# Altium PCB AEX1_PiOBD_V0.2_ALLPCB_6L.PcbDoc (part 2 of 4)
Units mm, origin at the board's own origin, x right, y up, seen from the top; angles counter-clockwise.
Board outline 130.5 x 65 mm, 6 copper layers (L1, L2(GND), L3, L4(PWR), L5(GND), L6), stack 1.565 mm thick; 307 components, 207 nets, 1196 pads, 423 vias.
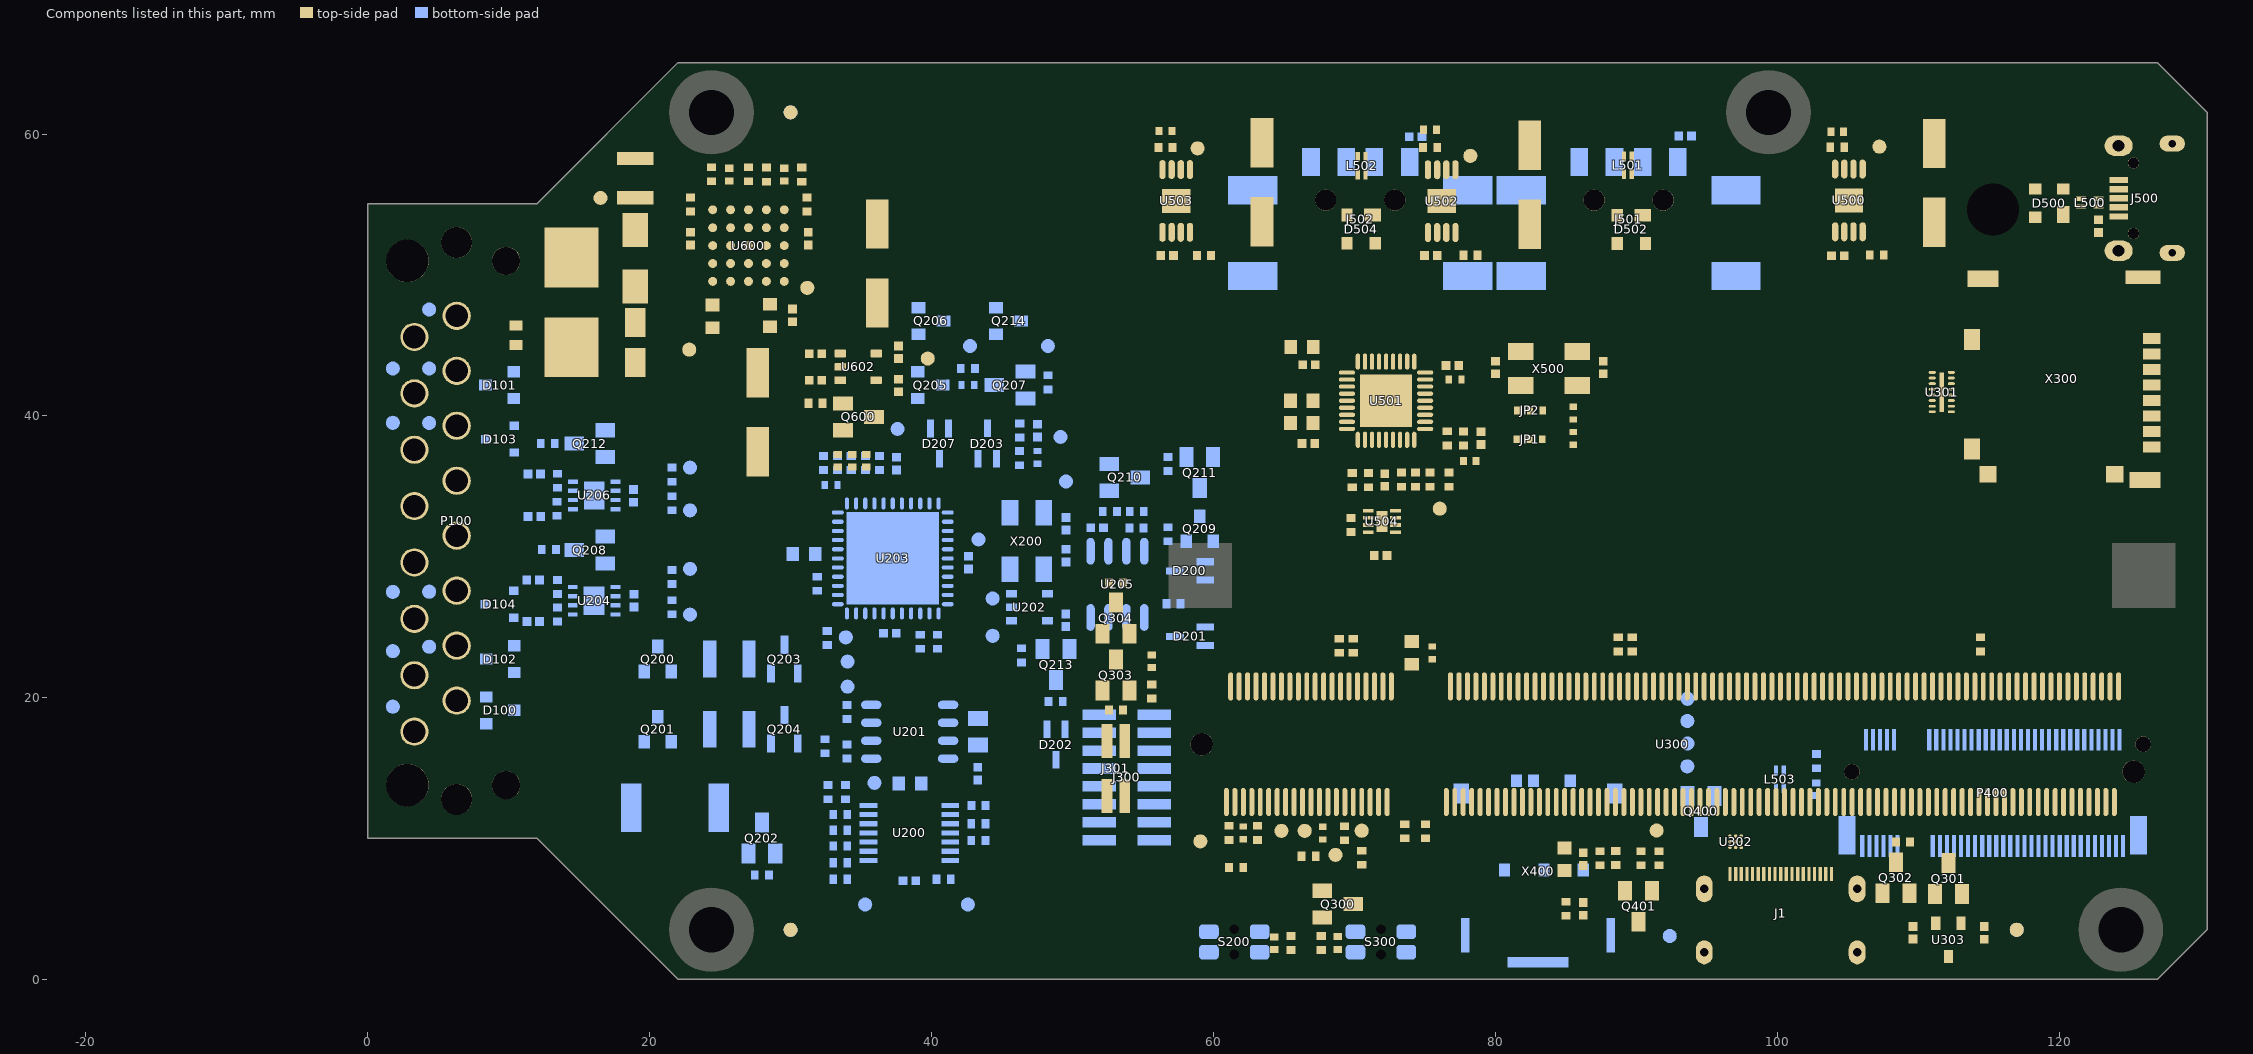
[diagram p6: the components of this part, seen from the top]

## Components (designator, comment, footprint, x,y, rotation, side; value= is the part's Value field where it differs from the comment) (continued)
U302 "ESD5384NCTBG" ONSC-WLCSP-9-567CX-01 97.054,9.785 r270 top
U303 "DIODES INCORPORATED - AP2331" "DIODES INCORPORATED - SOT23" 112.156,2.817 r270 top
U500 "DIODES INCORPORATED - AP2111MPG-13" TSOP65P490X110_HS-9N 105.089,55.29 r90 top
U501 "MICROCHIP - USB2534" QFN50P600X600X100_HS-37N 72.25,41.079 r270 top
U502 "DIODES INCORPORATED - AP2111MPG-13" TSOP65P490X110_HS-9N 76.2,55.242 r90 top
U503 "DIODES INCORPORATED - AP2111MPG-13" TSOP65P490X110_HS-9N 57.363,55.254 r90 top
U504 "MICROCHIP - AT24C04BN-SH-T" SON50P200X60_HS-9N 71.954,32.511 r180 top
U600 "LTM4622EV#PBF" LT-LGA-25-6250X6250X1820_V 27.014,52.086 r90 top
U602 "TPS73618DBVR" DBV0005A_L 34.798,43.48 r0 top
X200 "ABM3B-16.000MHZ-B2-T" ABRA-ABM3B-4_V 46.764,31.122 r90 bottom
X300 "MOLEX - 503182-1853" "MOLEX - 503182-1853" 120.85,42.59 r270 top
X400 "JST SCZW-7SA-1K(HF)" "JST SCZW-7SA-1K(HF)" 83.032,14.566 r0 bottom
X500 "ABM3B-24.000MHZ-B2-T" ABRA-ABM3B-4_V 83.81,43.36 r0 top

## Footprints (in the part's own frame and the unit in brackets; to place one, negate y for a bottom-side part, rotate by r counter-clockwise, add the part's x,y. Pads: shape width x height; smd on the part's side, far side on the other; paste and mask are expansions set on the pad)
9774015151 [mm] "SMT Steel Spacer with internal Thread M2.5, height 1.5mm"
  round 6 / inner round 0 / far side round 0 hole 3.7 unplated: 1(0,0)
  body extent -2.55,-2.55 2.55,2.55, height 1.51
62100421021 [mm] "Pin Header, pitch 1.27 mm, SMD, Vertical, dual row, 4p"
  rect 0.75x2.4 smd: 1(-0.635,-1.95) 2(-0.635,1.95) 3(0.635,-1.95) 4(0.635,1.95)
  silkscreen extent -1.27,-1.7 1.27,1.7, body extent -1.27,-2.55 1.27,2.55, height 5.9
62101621021 [mm] "Pin Header, pitch 1.27 mm, SMD, Vertical, dual row, 16p"
  rect 0.75x2.4 smd: 1(-4.445,-1.95) 2(-4.445,1.95) 3(-3.175,-1.95) 4(-3.175,1.95) 5(-1.905,-1.95) 6(-1.905,1.95) 7(-0.635,-1.95) 8(-0.635,1.95) 9(0.635,-1.95) 10(0.635,1.95) 11(1.905,-1.95) 12(1.905,1.95) 13(3.175,-1.95) 14(3.175,1.95) 15(4.445,-1.95) 16(4.445,1.95)
  silkscreen extent -5.08,-1.7 5.08,1.7, body extent -5.08,-2.5 5.08,2.5, height 5.9
629104190121 [mm] "USB 2.0 Type A Horizontal SMT Short Type"
  rect 1.25x2 smd: 1(-3.5,5.6) 2(-1,5.6) 3(1,5.6) 4(3.5,5.6)
  round 1.5 hole 1.5 unplated: MH1(-2.45,2.9) MH2(2.45,2.9)
  rect 3.5x2 smd: Shell(-7.625,-2.5) Shell(-7.625,3.6) Shell(7.625,-2.5) Shell(7.625,3.6)
  silkscreen extent -6.55,-1.2 6.55,5, body extent -8.25,-5 8.25,6.11, height 6.35
629105150521 [mm] "Micro USB 2.0 SMT Type B Horizontal 5 Contacts High Current"
  rect 0.45x1.3 smd: 1(-1.3,2.9) 2(-0.65,2.9) 3(0,2.9) 4(0.65,2.9) 5(1.3,2.9)
  round 0.8 hole 0.8 unplated: MH1(-2.5,1.85) MH2(2.5,1.85)
  oval 1.15x1.8 hole 0.55 slot 1.2 at 90 deg: Shell(-3.875,-0.9) Shell(3.875,-0.9)
  oval 1.45x2 hole 0.85 slot 1.4 at 90 deg: Shell(-3.725,2.9) Shell(3.725,2.9)
  silkscreen extent -4,0.3 4,3.3, body extent -4,-3.3 4,3.3, height 2.75
685119136923 [mm] "Mini HDMI SMT Horizontal"
  rect 0.23x1 smd: 1(3.6,3.75) 2(3.2,3.75) 3(2.8,3.75) 4(2.4,3.75) 5(2,3.75) 6(1.6,3.75) 7(1.2,3.75) 8(0.8,3.75) 9(0.4,3.75) 10(0,3.75) 11(-0.4,3.75) 12(-0.8,3.75) 13(-1.2,3.75) 14(-1.6,3.75) 15(-2,3.75) 16(-2.4,3.75) 17(-2.8,3.75) 18(-3.2,3.75) 19(-3.6,3.75)
  oval 1.2x1.7 hole 0.6 slot 1.1 at 90 deg: Shell(-5.425,-1.8) Shell(5.425,-1.8)
  oval 1.2x1.9 hole 0.6 slot 1.3 at 90 deg: Shell(-5.425,2.7) Shell(5.425,2.7)
  silkscreen extent -5.6,-0.65 5.6,3.8, body extent -5.62,-3.8 5.63,4.1, height 3.3
"a. OBD-Stekcer mit Winkel für Platinenmontage" [mm] "-"
  round 2 hole 1.6: 1(0,0) 2(4,0) 3(8,0) 4(12,0) 5(16,0) 6(20,0) 7(24,0) 8(28,0) 9(2.2,3) 10(6.1,3) 11(10,3) 12(13.9,3) 13(17.8,3) 14(21.7,3) 15(25.6,3) 16(29.5,3)
  round 2.2 hole 2.2: M(-4.8,3) M(34.7,3)
  round 3 hole 3: M(-3.8,-0.5)
  round 2 hole 2: M(-3.8,6.5) M(33.4,6.5)
  round 3 hole 3 mask+0.102: M(33.4,-0.5)
  silkscreen extent -6.19,-23.37 36.1,7.83, body extent -6.2,-23.37 36.09,-6.98, height 12.95
ABRA-ABM3B-4_V [mm] "SMD, 4-Leads, Body 5x3.2mm"
  rect 1.8x1.2 smd: 1(-2,-1.2) 2(2,-1.2) 3(2,1.2) 4(-2,1.2)
  silkscreen extent -3.57,-1.6 2.5,1.6, body extent -2.5,-1.59 2.5,1.59, height 1.13
"CAP 0402 [1005 Metric] X050 N" [mm] "CAPC1005X050_N"
  rect 0.62x0.62 smd: 1(-0.45,0) 2(0.45,0)
  body extent -0.55,-0.3 0.55,0.3, height 0.5
"CAP 0603 [1608 Metric] X080 N" [mm] "CAPC1608X080_N"
  rect 0.9x1 smd: 1(-0.8,0) 2(0.8,0)
  silkscreen extent -0.05,-0.4 0.05,0.4, body extent -0.87,-0.48 0.88,0.47, height 0.8
"CAP 0603 [1608 Metric] X100 L" [mm] "CAPC1608X100_L"
  rect 0.7x0.9 smd: 1(-0.7,0) 2(0.7,0)
  silkscreen extent -0.05,-0.35 0.05,0.35, body extent -0.87,-0.47 0.88,0.48, height 1
CAPC1210(3225)190_L [mm] "Chip Capacitor, Body 3.2x2.5mm, Height 1.9mm, IPC High Density"
  rect 0.95x2.6 smd: 1(-1.4,0) 2(1.4,0)
  silkscreen extent -0.55,-1.2 0.55,1.2, body extent -1.7,-1.35 1.7,1.35, height 1.9
DBV0005A_L [mm] "SOT23, 5-Leads, Body 3.05x1.75mm, Pitch 0.95mm, IPC High Density"
  rrect18% 0.8x0.55 smd: 1(-1.275,0.95) 2(-1.275,0) 3(-1.275,-0.95) 4(1.275,-0.95) 5(1.275,0.95)
  silkscreen extent -1.4,-1.55 0.5,1.9, body extent -1.42,-1.46 1.42,1.46, height 1.08
"DIODES INCORPORATED - SOT23" [mm] "SOT23, 3-Leads, Body 2,90x2,40mm, Pitch 0,90mm, IPC Medium Density"
  rect 0.95x0.65 smd: 1(-1.175,0.9) 2(-1.175,-0.9) 3(1.175,0)
  silkscreen extent -1.3,-1.5 0.7,1.9, body extent -1.25,-1.5 1.25,1.5, height 1.1
DIOM4227X23N [mm] "Molded Diode, 2-Leads, Body 4.25x2.67mm, IPC Medium Density"
  rect 2.4x1.8 smd: A(2,0) C(-2,0)
  silkscreen extent -3.02,-1.4 2.25,1.45, body extent -2.47,-1.4 2.47,1.4, height 2.29
EVQP7M [mm]
  rrect50% 1.4x1.05 smd paste+0: 1(-1.8,0.725) 2(1.8,0.725) 3(-1.8,-0.725) 4(1.8,-0.725)
  rrect50% 0x0 hole 0.7 unplated paste+0: H1(0,0.9) H2(0,-0.9)
  silkscreen extent -0.9,-1.5 0.9,1.45, body extent -2.15,-2.1 2.15,1.6, height 1.36
"Fiducial Marker" [mm] "Passermarke / Fiducial Marker / Kamera-Marke 1.0mm Durchmesser , 500µm Lackfreistellung"
  round 1 smd paste-2 mask+0.5: 1(0,0)
  L1 keep-out circle w0.1: c0,0 r0.95
INF-SOT143_V [mm] "SOT143, 4-Leads, Body 2.9x1.3 mm"
  rect 0.9x1.2 smd: 1(-1,0.8)
  rect 0.9x0.8 smd: 2(-1,-1) 3(1,-1) 4(1,1)
  silkscreen extent -1.05,-1.5 0.7,1.85, body extent -0.65,-1.45 0.65,1.45, height 1.1
INF-SOT323_M [mm] "SOT23, 3-Leads, Body 2x1.25 mm, Pitch 0.65 mm, IPC Low Density"
  rect 1.25x0.5 smd: 1(-1.075,0.65) 2(-1.075,-0.65) 3(1.075,0)
  silkscreen extent -1.2,-1.1 0.67,1.57, body extent -0.67,-1.1 0.67,1.1, height 1
INF-SOT-23-3_V [mm] "SOT23, 3-Leads, Body 3.04x1.4mm, Pitch 0.95mm"
  rect 0.972x0.802 smd: 1(-0.885,0.95) 2(-0.885,-0.95) 3(0.885,0)
  silkscreen extent -1.01,-1.5 0.7,2.03, body extent -1.32,-1.52 1.32,1.52, height 1.12
"JST SCZW-7SA-1K(HF)" [mm] "SIM-Kartenhalter"
  rect 0.8x0.9 smd: 1(3.22,6.79) 2(0.42,6.79) 3(-2.38,6.79) 4(2.29,0.45) 5(-0.32,0.45) 6(-1.52,0.45)
  rect 1.1x1.4 smd: 7(-5.45,1.35) 7(5.45,1.35)
  rect 0.6x2.45 smd: 7(-5.15,11.4) 7(5.15,11.4)
  rect 4.3x0.75 smd: 7(0,13.325)
  silkscreen extent -6,0 6,13.7
"LITTELFUSE - 154 OMNI-BLOK" [mm] "Surface Mount Fuses  NANO2 - 154 OMNI-BLOK - Fuse and Holder Combination"
  rect 4.24x3.81 smd: 1(-3.185,0) 2(3.185,0)
  silkscreen extent -4.8,-2.5 4.8,2.5, body extent -4.85,-2.5 4.85,2.5, height 3.74
LT-LGA-25-6250X6250X1820_V [mm] "LGA, 25-Leads, Body 6.25x6.25mm, Pitch 1.27mm"
  round 0.635 smd: A1(-2.54,2.54) A2(-1.27,2.54) A3(0,2.54) A4(1.27,2.54) A5(2.54,2.54) B1(-2.54,1.27) B2(-1.27,1.27) B3(0,1.27) B4(1.27,1.27) B5(2.54,1.27) C1(-2.54,0) C2(-1.27,0) C3(0,0) C4(1.27,0) C5(2.54,0) D1(-2.54,-1.27) D2(-1.27,-1.27) D3(0,-1.27) D4(1.27,-1.27) D5(2.54,-1.27) E1(-2.54,-2.54) E2(-1.27,-2.54) E3(0,-2.54) E4(1.27,-2.54) E5(2.54,-2.54)
  silkscreen extent -3.78,2.76 -3.53,3.01, body extent -3.13,-3.13 3.13,3.13, height 1.92
"M.2 (NGFF) Connectors" [mm] "The M.2 (Next Generation Form Factor) product line is a natural transition from the Mini Card and Half Mini Card to a smaller form factor in both size and volume."
  rect 0.3x1.55 smd: 1(0,0) 2(0.25,-7.55) 3(0.5,0) 4(0.75,-7.55) 5(1,0) 6(1.25,-7.55) 7(1.5,0) 8(1.75,-7.55) 9(2,0) 10(2.25,-7.55) 11(2.5,0) 20(4.75,-7.55) 21(5,0) 22(5.25,-7.55) 23(5.5,0) 24(5.75,-7.55) 25(6,0) 26(6.25,-7.55) 27(6.5,0) 28(6.75,-7.55) 29(7,0) 30(7.25,-7.55) 31(7.5,0) 32(7.75,-7.55) 33(8,0) 34(8.25,-7.55) 35(8.5,0) 36(8.75,-7.55) 37(9,0) 38(9.25,-7.55) 39(9.5,0) 40(9.75,-7.55) 41(10,0) 42(10.25,-7.55) 43(10.5,0) 44(10.75,-7.55) 45(11,0) 46(11.25,-7.55) 47(11.5,0) 48(11.75,-7.55) 49(12,0) 50(12.25,-7.55) 51(12.5,0) 52(12.75,-7.55) 53(13,0) 54(13.25,-7.55) 55(13.5,0) 56(13.75,-7.55) 57(14,0) 58(14.25,-7.55) 59(14.5,0) 60(14.75,-7.55) 61(15,0) 62(15.25,-7.55) 63(15.5,0) 64(15.75,-7.55) 65(16,0) 66(16.25,-7.55) 67(16.5,0) 68(16.75,-7.55) 69(17,0) 70(17.25,-7.55) 71(17.5,0) 72(17.75,-7.55) 73(18,0) 74(18.25,-7.55) 75(18.5,0)
  rect 1.2x2.75 smd: M(-1.1,-0.775) M(19.6,-0.775)
  round 1.1 hole 1.1: M(-0.75,-5.275)
  round 1.6 hole 1.6: M(19.25,-5.275)
  silkscreen extent -2.08,-8.51 20.58,2.79, body extent -3.81,-8.12 20.2,0.58, height 3.09
"MOLEX - 503182-1853" [mm] "Speichersockel, Baureihe 503182, Micro SD, 8 Kontakt(e), Kupfer, Vergoldete Kontakte"
  rect 0.8x1.24 smd: 1(-2.9,5.73) 2(-1.8,5.73) 3(-0.7,5.73) 4(0.4,5.73) 5(1.5,5.73) 6(2.6,5.73) 7(3.7,5.73) 8(4.8,5.73)
  rect 1.16x1.25 smd: 9(6.74,3.1)
  rect 1.16x1.2 smd: 10(6.74,-5.9)
  rect 1.15x2.2 smd: 11(7.145,5.25) 14(-7.145,-6.23)
  rect 1.5x1.15 smd: 12(4.94,-7.025) 13(-2.84,-7.025)
  rect 0.95x2.5 smd: 15(-7.245,5.1)
  L1 keep-out region: -3.81,4.826 5.715,4.826 5.715,-4.318 -3.81,-4.318
  L1 keep-out region: 6.858,-4.953 6.858,-2.54 8.128,-2.54 8.128,-4.953
  silkscreen extent -7.11,-7.37 7.11,7.62, body extent -7.48,-7.36 7.46,9.67, height 1.56
MURA-1210-4_V [mm] "SMD, 4-Leads, Body 1.25x1mm, Pitch 0.55mm"
  rect 0.7x0.3 smd: 1(-0.625,0.275) 2(0.625,0.275) 3(0.625,-0.275) 4(-0.625,-0.275)
  silkscreen extent -0.75,0.85 -0.5,1.1, body extent -0.62,-0.5 0.62,0.5, height 0.92
NXP-SOT23-3_V [mm] "SOT23, 3-Leads, Body 1.3x2.9mm, Pitch 0.95mm"
  rect 0.6x0.7 smd paste-0.05: 1(0.95,1) 2(-0.95,1) 3(0,-1)
  silkscreen extent -1.45,-0.65 1.45,1.79, body extent -1.45,-0.65 1.45,0.65, height 1.1
ONSC-SOT-23-3-318-08_V [mm] "SOT23, 3-Leads, Body 2.92x1.3mm, Pitch 0.95mm"
  rect 0.9x0.8 smd: 1(-1,0.95) 2(-1,-0.95) 3(1,0)
  silkscreen extent -1.12,-1.46 0.65,2.02, body extent -0.65,-1.46 0.65,1.46, height 1.11
ONSC-TSSOP-14-948G-01_V [mm] "SOP, 14-Leads, Body 5.1x4.5mm, Pitch 0.65mm"
  rect 1.26x0.36 smd: 1(-2.9,1.95) 2(-2.9,1.3) 3(-2.9,0.65) 4(-2.9,0) 5(-2.9,-0.65) 6(-2.9,-1.3) 7(-2.9,-1.95) 8(2.9,-1.95) 9(2.9,-1.3) 10(2.9,-0.65) 11(2.9,0) 12(2.9,0.65) 13(2.9,1.3) 14(2.9,1.95)
  silkscreen extent -3.02,-2.55 1.87,2.8, body extent -2.25,-2.55 2.25,2.55, height 1.2
ONSC-WLCSP-9-567CX-01 [mm] "BGA, 9-Balls, Body 1.14x1.14mm, Pitch 0.4mm"
  round 0.25 smd paste-0.125 mask+0.025: A1(-0.4,0.4) A2(0,0.4) A3(0.4,0.4) B1(-0.4,0) B2(0,0) B3(0.4,0) C1(-0.4,-0.4) C2(0,-0.4) C3(0.4,-0.4)
  silkscreen extent -0.72,0.63 -0.63,0.72, body extent -0.57,-0.57 0.57,0.57, height 0.63
QFN0P117X348X55_HS-17N [mm] "QFN, 16-Leads, Body 1,17x3,48mm, Pitch 0,00mm/0,40mm, Thermal Pad 0,33x2,80mm, IPC Medium Density"
  oval 0.5x0.2 smd: 1(-0.675,1.4) 2(-0.675,1) 3(-0.675,0.6) 4(-0.675,0.2) 5(-0.675,-0.2) 6(-0.675,-0.6) 7(-0.675,-1) 8(-0.675,-1.4) 9(0.675,-1.4) 10(0.675,-1) 11(0.675,-0.6) 12(0.675,-0.2) 13(0.675,0.2) 14(0.675,0.6) 15(0.675,1) 16(0.675,1.4)
  rect 0.33x2.8 smd: 17(0,0)
  silkscreen extent -1.15,-1.9 0.6,1.95, body extent -0.6,-1.75 0.6,1.75, height 0.55
QFN50P600X600X100_HS-37N [mm] "QFN, 36-Leads, Body 6,00x6,00mm, Pitch 0,50mm, Thermal Pad 3,70x3,70mm, IPC Medium Density"
  oval 1.15x0.3 smd: 1(-2.775,2) 2(-2.775,1.5) 3(-2.775,1) 4(-2.775,0.5) 5(-2.775,0) 6(-2.775,-0.5) 7(-2.775,-1) 8(-2.775,-1.5) 9(-2.775,-2) 19(2.775,-2) 20(2.775,-1.5) 21(2.775,-1) 22(2.775,-0.5) 23(2.775,0) 24(2.775,0.5) 25(2.775,1) 26(2.775,1.5) 27(2.775,2)
  oval 0.3x1.15 smd: 10(-2,-2.775) 11(-1.5,-2.775) 12(-1,-2.775) 13(-0.5,-2.775) 14(0,-2.775) 15(0.5,-2.775) 16(1,-2.775) 17(1.5,-2.775) 18(2,-2.775) 28(2,2.775) 29(1.5,2.775) 30(1,2.775) 31(0.5,2.775) 32(0,2.775) 33(-0.5,2.775) 34(-1,2.775) 35(-1.5,2.775) 36(-2,2.775)
  rect 3.7x3.7 smd: 37(0,0)
  silkscreen extent -3.97,-3.2 3.2,3.2, body extent -3.05,-3.05 3.05,3.05, height 1
QFN65P800X800X100_HS-45N [mm] "QFN, 44-Leads, Body 8,00x8,00mm, Pitch 0,65mm, Thermal Pad 6,55x6,55mm, IPC Medium Density"
  oval 0.85x0.3 smd: 1(-3.9,3.25) 2(-3.9,2.6) 3(-3.9,1.95) 4(-3.9,1.3) 5(-3.9,0.65) 6(-3.9,0) 7(-3.9,-0.65) 8(-3.9,-1.3) 9(-3.9,-1.95) 10(-3.9,-2.6) 11(-3.9,-3.25) 23(3.9,-3.25) 24(3.9,-2.6) 25(3.9,-1.95) 26(3.9,-1.3) 27(3.9,-0.65) 28(3.9,0) 29(3.9,0.65) 30(3.9,1.3) 31(3.9,1.95) 32(3.9,2.6) 33(3.9,3.25)
  oval 0.3x0.85 smd: 12(-3.25,-3.9) 13(-2.6,-3.9) 14(-1.95,-3.9) 15(-1.3,-3.9) 16(-0.65,-3.9) 17(0,-3.9) 18(0.65,-3.9) 19(1.3,-3.9) 20(1.95,-3.9) 21(2.6,-3.9) 22(3.25,-3.9) 34(3.25,3.9) 35(2.6,3.9) 36(1.95,3.9) 37(1.3,3.9) 38(0.65,3.9) 39(0,3.9) 40(-0.65,3.9) 41(-1.3,3.9) 42(-1.95,3.9) 43(-2.6,3.9) 44(-3.25,3.9)
  rect 6.55x6.55 smd paste-0.7: 45(0,0)
  silkscreen extent -4.92,-4.15 4.15,4.15, body extent -4,-4 4,4, height 1
"RES 0402 [1005 Metric] L" [mm] "RESC1005X04_L"
  rect 0.45x0.55 smd: 1(-0.45,0) 2(0.45,0)
  body extent -0.52,-0.27 0.53,0.28, height 0.4
"RES 0402 [1005 Metric]_N" [mm] "RESC1005X04_N"
  rect 0.55x0.65 smd: 1(-0.5,0) 2(0.5,0)
  body extent -0.52,-0.27 0.53,0.28, height 0.4
"RES 0805 [2012 Metric] X070 N" [mm] "RESC2012X07N, Chip Resistor, 2-Leads, Body 2.00x1.25mm, IPC Medium Density"
  rect 1.05x1.4 smd: 1(-0.95,0) 2(0.95,0)
  silkscreen extent -0.05,-0.6 0.05,0.6, body extent -1.1,-0.67 1.1,0.68, height 0.7
"RES 2512 [6432 Metric] M" [mm] "RESC6432X08_M"
  rect 1.45x3.45 smd: 1(-3.1,0) 2(3.1,0)
  silkscreen extent -2,-1.63 2,1.63, body extent -3.25,-1.7 3.25,1.7, height 0.75
RESC1210(3225)_L [mm] "Chip Resistor, Body 3.2x2.5mm, IPC High Density"
  rect 0.95x2.6 smd: 1(-1.4,0) 2(1.4,0)
  silkscreen extent -0.55,-1.2 0.55,1.2, body extent -1.7,-1.35 1.7,1.35, height 0.71
"ROHM - SML-P11x Series" [mm] "SML-P11x Series Footprint, 0402, SMT, 1.0mm x 0.6mm x 0.2mm"
  rect 0.5x0.6 smd: A(-0.45,0) C(0.45,0)
  body extent -0.5,-0.3 0.5,0.3, height 0.19
SO8_L [mm] "SOIC, 8-Leads, Body 4.9x3.9mm, Pitch 1.27mm, IPC High Density"
  oval 1.9x0.6 smd: 1(-2.35,1.905) 2(-2.35,0.635) 3(-2.35,-0.635) 4(-2.35,-1.905) 5(2.35,-1.905) 6(2.35,-0.635) 7(2.35,0.635) 8(2.35,1.905)
  silkscreen extent -2.47,-2.5 1,2.88, body extent -2,-2.5 2,2.5, height 1.75
SOIC127P600X172-8N [mm] "SOIC, 8-Leads, Body 4,89x3,90mm, Pitch 1,27mm, IPC Medium Density"
  oval 1.45x0.6 smd: 1(-2.725,1.905) 2(-2.725,0.635) 3(-2.725,-0.635) 4(-2.725,-1.905) 5(2.725,-1.905) 6(2.725,-0.635) 7(2.725,0.635) 8(2.725,1.905)
  silkscreen extent -2.85,-2.5 1.6,2.88, body extent -3,-2.5 3,2.5, height 1.72
"Solder Jumper 0402 bestückt" [mm] "Solder Jumper 0402 bestückt"
  rect 0.45x0.55 smd: 1(-0.45,0) 2(0.45,0)
  body extent -0.52,-0.27 0.53,0.28, height 0.4
"Solder Jumper 0402 unbestückt" [mm] "Solder Jumper 0402 unbestückt"
  rect 0.45x0.55 smd: 1(-0.45,0) 2(0.45,0)
"Solder Jumper Triple 0402 without Assembly" [mm] "Solder Jumper Triple 0402 without Assembly"
  rect 0.45x0.55 smd: 1(0,0) 2(-0.9,0) 3(0.9,0)
  silkscreen extent -1.3,-0.45 1.3,0.45
SON50P200X60_HS-9N [mm] "SON, 8-Leads, Body 3,00x2,00mm, Pitch 0,50mm, Thermal Pad 1,50x0,78mm, IPC Medium Density"
  rect 0.75x0.25 smd: 1(-0.965,0.75) 2(-0.965,0.25) 3(-0.965,-0.25) 4(-0.965,-0.75) 5(0.965,-0.75) 6(0.965,-0.25) 7(0.965,0.25) 8(0.965,0.75)
  rect 0.78x1.5 smd: 9(0,0)
  silkscreen extent -1.6,-1.65 1.15,1.7, body extent -1,-1.5 1,1.5, height 0.6
SON65P300X100_HS-9N [mm] "SON, 8-Leads, Body 3,00x3,00mm, Pitch 0,65mm, Thermal Pad 2,00x1,47mm, IPC Medium Density"
  rect 0.7x0.3 smd: 1(-1.51,0.975) 2(-1.51,0.325) 3(-1.51,-0.325) 4(-1.51,-0.975) 5(1.51,-0.975) 6(1.51,-0.325) 7(1.51,0.325) 8(1.51,0.975)
  rect 1.47x2 smd: 9(0,0)
  silkscreen extent -2.1,-1.65 1.65,1.7, body extent -1.5,-1.5 1.5,1.5, height 1
SOT23 [mm] "SOT23, 3-Leads, Body 2,92x2,37mm, Pitch 0,95mm, IPC Medium Density - SOT95P237X112-3N"
  rect 1.28x0.55 smd: 1(-1.015,0.95) 2(-1.015,-0.95) 3(1.015,0)
  silkscreen extent -1.14,-1.5 0.7,1.9, body extent -1.32,-1.52 1.32,1.52, height 1.12
SOT23127P600-8N [mm] "SOT23, 3-Leads, Body 2.92x2.40mm, Pitch 0.95mm, IPC Medium Density"
  rect 1.4x1 smd: D(1.1,0) G(-1.1,0.95) S(-1.1,-0.95)
  silkscreen extent -1.22,-1.45 0.65,2.13, body extent -1.2,-1.46 1.2,1.46, height 1.2
"TE CONNECTIVITY -  1473005-4" [mm] "DDR2 SODIMM Socket 200 Positions"
  oval 2x0.35 smd: 1(-12.125,31.65) 2(-3.925,31.35) 3(-12.125,31.05) 4(-3.925,30.75) 5(-12.125,30.45) 6(-3.925,30.15) 7(-12.125,29.85) 8(-3.925,29.55) 9(-12.125,29.25) 10(-3.925,28.95) 11(-12.125,28.65) 12(-3.925,28.35) 13(-12.125,28.05) 14(-3.925,27.75) 15(-12.125,27.45) 16(-3.925,27.15) 17(-12.125,26.85) 18(-3.925,26.55) 19(-12.125,26.25) 20(-3.925,25.95) 21(-12.125,25.65) 22(-3.925,25.35) 23(-12.125,25.05) 24(-3.925,24.75) 25(-12.125,24.45) 26(-3.925,24.15) 27(-12.125,23.85) 28(-3.925,23.55) 29(-12.125,23.25) 30(-3.925,22.95) 31(-12.125,22.65) 32(-3.925,22.35) 33(-12.125,22.05) 34(-3.925,21.75) 35(-12.125,21.45) 36(-3.925,21.15) 37(-12.125,20.85) 38(-3.925,20.55) 39(-12.125,20.25) 40(-3.925,19.95) 41(-12.125,16.05) 42(-3.925,15.75) 43(-12.125,15.45) 44(-3.925,15.15) 45(-12.125,14.85) 46(-3.925,14.55) 47(-12.125,14.25) 48(-3.925,13.95) 49(-12.125,13.65) 50(-3.925,13.35) 51(-12.125,13.05) 52(-3.925,12.75) 53(-12.125,12.45) 54(-3.925,12.15) 55(-12.125,11.85) 56(-3.925,11.55) 57(-12.125,11.25) 58(-3.925,10.95) 59(-12.125,10.65) 60(-3.925,10.35) 61(-12.125,10.05) 62(-3.925,9.75) 63(-12.125,9.45) 64(-3.925,9.15) 65(-12.125,8.85) 66(-3.925,8.55) 67(-12.125,8.25) 68(-3.925,7.95) 69(-12.125,7.65) 70(-3.925,7.35) 71(-12.125,7.05) 72(-3.925,6.75) 73(-12.125,6.45) 74(-3.925,6.15) 75(-12.125,5.85) 76(-3.925,5.55) 77(-12.125,5.25) 78(-3.925,4.95) 79(-12.125,4.65) 80(-3.925,4.35) 81(-12.125,4.05) 82(-3.925,3.75) 83(-12.125,3.45) 84(-3.925,3.15) 85(-12.125,2.85) 86(-3.925,2.55) 87(-12.125,2.25) 88(-3.925,1.95) 89(-12.125,1.65) 90(-3.925,1.35) 91(-12.125,1.05) 92(-3.925,0.75) 93(-12.125,0.45) 94(-3.925,0.15) 95(-12.125,-0.15) 96(-3.925,-0.45) 97(-12.125,-0.75) 98(-3.925,-1.05) 99(-12.125,-1.35) 100(-3.925,-1.65) 101(-12.125,-1.95) 102(-3.925,-2.25) 103(-12.125,-2.55) 104(-3.925,-2.85) 105(-12.125,-3.15) 106(-3.925,-3.45) 107(-12.125,-3.75) 108(-3.925,-4.05) 109(-12.125,-4.35) 110(-3.925,-4.65) 111(-12.125,-4.95) 112(-3.925,-5.25) 113(-12.125,-5.55) 114(-3.925,-5.85) 115(-12.125,-6.15) 116(-3.925,-6.45) 117(-12.125,-6.75) 118(-3.925,-7.05) 119(-12.125,-7.35) 120(-3.925,-7.65) 121(-12.125,-7.95) 122(-3.925,-8.25) 123(-12.125,-8.55) 124(-3.925,-8.85) 125(-12.125,-9.15) 126(-3.925,-9.45) 127(-12.125,-9.75) 128(-3.925,-10.05) 129(-12.125,-10.35) 130(-3.925,-10.65) 131(-12.125,-10.95) 132(-3.925,-11.25) 133(-12.125,-11.55) 134(-3.925,-11.85) 135(-12.125,-12.15) 136(-3.925,-12.45) 137(-12.125,-12.75) 138(-3.925,-13.05) 139(-12.125,-13.35) 140(-3.925,-13.65) 141(-12.125,-13.95) 142(-3.925,-14.25) 143(-12.125,-14.55) 144(-3.925,-14.85) 145(-12.125,-15.15) 146(-3.925,-15.45) 147(-12.125,-15.75) 148(-3.925,-16.05) 149(-12.125,-16.35) 150(-3.925,-16.65) 151(-12.125,-16.95) 152(-3.925,-17.25) 153(-12.125,-17.55) 154(-3.925,-17.85) 155(-12.125,-18.15) 156(-3.925,-18.45) 157(-12.125,-18.75) 158(-3.925,-19.05) 159(-12.125,-19.35) 160(-3.925,-19.65) 161(-12.125,-19.95) 162(-3.925,-20.25) 163(-12.125,-20.55) 164(-3.925,-20.85) 165(-12.125,-21.15) 166(-3.925,-21.45) 167(-12.125,-21.75) 168(-3.925,-22.05) 169(-12.125,-22.35) 170(-3.925,-22.65) 171(-12.125,-22.95) 172(-3.925,-23.25) 173(-12.125,-23.55) 174(-3.925,-23.85) 175(-12.125,-24.15) 176(-3.925,-24.45) 177(-12.125,-24.75) 178(-3.925,-25.05) 179(-12.125,-25.35) 180(-3.925,-25.65) 181(-12.125,-25.95) 182(-3.925,-26.25) 183(-12.125,-26.55) 184(-3.925,-26.85) 185(-12.125,-27.15) 186(-3.925,-27.45) 187(-12.125,-27.75) 188(-3.925,-28.05) 189(-12.125,-28.35) 190(-3.925,-28.65) 191(-12.125,-28.95) 192(-3.925,-29.25) 193(-12.125,-29.55) 194(-3.925,-29.85) 195(-12.125,-30.15) 196(-3.925,-30.45) 197(-12.125,-30.75) 198(-3.925,-31.05) 199(-12.125,-31.35) 200(-3.925,-31.65)
  round 1.6 hole 1.6: MH1(-8.025,33.4)
  round 1.1 hole 1.1: MH2(-8.025,-33.4)
  silkscreen extent -13.47,-36.17 8.89,36.24, body extent -13.03,-35.75 13.02,35.75, height 5.24
"Testpad, 1.0mm x 1.0mm, round" [mm] "Testpad, 1.0mm x 1.0mm, round"
  round 1 smd paste-1: 1(0,0)
  silkscreen extent -0.72,-0.72 0.72,0.72
TSOP65P490X110_HS-9N [mm] "TSOP, 8-Leads, Body 3,00x3,00mm, Pitch 0,65mm, Thermal Pad 2,00x1,70mm, IPC Medium Density"
  oval 1.35x0.45 smd: 1(-2.225,0.975) 2(-2.225,0.325) 3(-2.225,-0.325) 4(-2.225,-0.975) 5(2.225,-0.975) 6(2.225,-0.325) 7(2.225,0.325) 8(2.225,0.975)
  rect 1.7x2 smd: 9(0,0)
  silkscreen extent -2.35,-1.55 1.15,1.9, body extent -1.55,-1.55 1.55,1.55, height 1.1
VISH-DO-214AC-2_L [mm] "DO-214AC, 2-Leads, Body 4.5x2.79mm, IPC High Density"
  rect 2.05x1.45 smd: 1(-1.425,0) 2(1.425,0)
  silkscreen extent -3.12,-1.4 2.25,1.4, body extent -2.25,-1.4 2.25,1.4, height 2.29
WCAP-ASLI_6.3x5.5 [mm] "Polarized capacitors, Aluminum Electrolytic Capacitors, 2-Leads, Body 6.3x5.5x2.2"
  rect 3.5x1.6 smd: 1(2.8,0) 2(-2.8,0)
  silkscreen extent -3.3,-3.3 3.3,3.3, body extent -3.65,-3.3 3.65,3.3, height 5.5

## Part data
C200: library part CMP-03768-2, "SMD/SMT 0402 25V -5% +5% C0G - Multilayer Ceramic Capacitors MLCC", Capacitance=150pF, Capacitance Tolerance neg=-5%, Capacitance Tolerance pos=5%, Case="0402 [1005]", Dielectric Type=C0G, Manufacturer=MURATA, Manufacturer Part Number=GRM1555C1E151JA01#, Operating Temperature max=125°C, Operating Temperature min=-55°C, Voltage Rating=25V, Assembly=yes, ComponentLink1Description=Datasheet, ComponentLink1URL=http://psearch.en.murata.com/capacitor/lineup/grm/, IPC Footprint Naming=CAPC1005X050, Mounting Type=SMT
C201 C300 C401 C512 C513 C519: library part CMP-05102-1, "SMD/SMT 0603 25V -20% +20% X5R - Multilayer Ceramic Capacitors MLCC", Capacitance=4,7µF, Capacitance Tolerance neg=-20%, Capacitance Tolerance pos=20%, Case="0603 [1608]", Dielectric Type=X5R, Manufacturer=TDK, Manufacturer Part Number=C1608X5R1E475M080AC, Operating Temperature max=85°C, Operating Temperature min=-55°C, Voltage Rating=25V, AccessRights=15, AncestorItemRevisionGUID=E51D455D-F8A1-44A6-8671-03D7555E002A, Assembly=yes, ComponentLink1Description=Datasheet, ComponentLink1URL=http://www.farnell.com/datasheets/2291921.pdf, ComponentType="Ceramic Capacitor", ContentType=Component, ContentTypeGUID=CB3C11C4-E317-11DF-B822-12313F0024A2, Folder="10 Library\Component Library\Passive Components\Capacitors\Ceramic Capacitors\", FolderGUID=1B932E09-F2A4-48AF-86E9-372599342254, IPC Footprint Naming=CAPC1608X080, ItemGUID=2606C917-888A-4062-919A-A6B1386C23AD, ItemHRID=CMP-03365, LifeCycle="In Design", LifeCycleStateGUID=E3052186-9469-4B71-ADAB-0D319103D948, Mounting Type=SMT, ReleaseDate="20/01/2017 12:59:13 PM", RevisionId=2
C202 C204 C207 C210 C213 C604 C611 C612 C613: library part CMP-05092-2, "SMD/SMT 0402 10V -10% +10% X6S - Mulitlayer Ceramic Capacitors MLCC", Capacitance=1µF, Capacitance Tolerance neg=-10%, Capacitance Tolerance pos=10%, Case="0402 [1005]", Dielectric Type=X6S, Manufacturer=TDK, Manufacturer Part Number=C1005X6S1A105K050BC, Operating Temperature max=105°C, Operating Temperature min=-55°C, Voltage Rating=10V, Assembly=yes, ComponentLink1Description=Datasheet, ComponentLink1URL=http://www.farnell.com/datasheets/2291921.pdf, Mounting Type=SMT
C203 C208 C216 C217 C301 C302 C402 C502 C504 C506 C508 C510 C511 C514 C515 C516 C517 C518 C520 C607 C608 C614: library part CMP-06091-1, "SMD/SMT 0402 35V -10% +10% X5R - Multilayer Ceramic Capacitors MLCC", Capacitance=100nF, Capacitance Tolerance neg=-10%, Capacitance Tolerance pos=10%, Case="0402 [1005]", Dielectric Type=X5R, Manufacturer=TDK, Manufacturer Part Number=C1005X5R1V104K050BB, Operating Temperature max=85°C, Operating Temperature min=-55°C, Voltage Rating=35V, Assembly=yes, ComponentLink1Description=Datasheet, ComponentLink1URL=https://de.farnell.com/tdk/c1005x5r1v104k050bb/kondensator-0-1-f-35v-10-x5r-0402/dp/2528760?st=100n%200402%2035v, IPC Footprint Naming=CAPC1005X050, Mounting Type=SMT
C205 C206 C211 C212: library part CMP-03930-2, "SMD/SMT 0402 25V -5% +5% C0G - Multilayer Ceramic Capacitors MLCC", Capacitance=560pF, Capacitance Tolerance neg=-5%, Capacitance Tolerance pos=5%, Case="0402 [1005]", Dielectric Type=C0G, Manufacturer=MURATA, Manufacturer Part Number=GRM1555C1E561JA01#, Operating Temperature max=125°C, Operating Temperature min=-55°C, Voltage Rating=25V, Assembly=yes, ComponentLink1Description=Datasheet, ComponentLink1URL=http://psearch.en.murata.com/capacitor/lineup/grm/, IPC Footprint Naming=CAPC1005X050, Mounting Type=SMT
C209 C602 C609: library part CMP-05416-1, "Cap Ceramic 10uF 16V X5R 10% Pad SMD 0603 85�? T/R", Capacitance=10µF, Capacitance Tolerance neg=-10%, Capacitance Tolerance pos=+10%, Case="0603 [1608]", Dielectric Type=X5R, Manufacturer=MURATA, Manufacturer Part Number=GRM188R61C106KAALD, Operating Temperature max=85°C, Operating Temperature min=-55°C, Voltage Rating=16V, Assembly=yes, ComponentLink1Description=Datasheet, ComponentLink1URL=https://search.murata.co.jp/Ceramy/image/img/A01X/G101/ENG/GRM188R61C106KAAL-01.pdf, Mounting Type=SMT
C214 C215 C505 C507: library part CMP-03847-2, "SMD/SMT 0402 25V -2% +2% C0G - Multilayer Ceramic Capacitors MLCC", Capacitance=30pF, Capacitance Tolerance neg=-2%, Capacitance Tolerance pos=2%, Case="0402 [1005]", Dielectric Type=C0G, Manufacturer=MURATA, Manufacturer Part Number=GRM1555C1E300GA01#, Operating Temperature max=125°C, Operating Temperature min=-55°C, Voltage Rating=25V, Assembly=yes, ComponentLink1Description=Datasheet, ComponentLink1URL=http://psearch.en.murata.com/capacitor/lineup/grm/, IPC Footprint Naming=CAPC1005X050, Mounting Type=SMT
C400: library part CMP-03893-2, "SMD/SMT 0402 25V -5% +5% C0G - Multilayer Ceramic Capacitors MLCC", Capacitance=47pF, Capacitance Tolerance neg=-5%, Capacitance Tolerance pos=5%, Case="0402 [1005]", Dielectric Type=C0G, Manufacturer=MURATA, Manufacturer Part Number=GRM1555C1E470JA01#, Operating Temperature max=125°C, Operating Temperature min=-55°C, Voltage Rating=25V, Assembly=yes, ComponentLink1Description=Datasheet, ComponentLink1URL=http://psearch.en.murata.com/capacitor/lineup/grm/, IPC Footprint Naming=CAPC1005X050, Mounting Type=SMT
C501 C503 C509 C603 C610: library part CMP-04590-3, "WCAP-ASLL Aluminium Electrolytic Capacitor (SMD Type): -55°C to 105°, Reflow Soldering, Low Impedance", Capacitance=150µF, Capacitance Tolerance neg=-20%, Capacitance Tolerance pos=20%, Case="Radial SMD", Leak Current=15µA, Manufacturer="WUERTH ELEKTRONIK", Manufacturer Part Number=865060243005, Operating Temperature max=105°C, Operating Temperature min=-55°C, Ripple Current max=250mA, Ripple Frequency=100kHz, Voltage Rating=10V, Assembly=yes, ComponentLink1Description=Datasheet, ComponentLink1URL=http://katalog.we-online.de/pbs/datasheet/865060243005.pdf, Impedance=0.44, Mounting Type=SMT
C600: library part CMP-05391-1, "SMT Multilayer Ceramic Chip Capacitor for Non-Magnetic Applications (IR Reflow Soldering)", Capacitance=10nF, Capacitance Tolerance neg=-10%, Capacitance Tolerance pos=+10%, Case="0603 [1608]", Dielectric Type=X7R, Manufacturer=VISHAY, Manufacturer Part Number=VJ0603Y103KCBAJ, Operating Temperature max=125°C, Operating Temperature min=-55°C, Voltage Rating=100V, AccessRights=2147483647, Assembly=yes, ComponentLink1Description=Datasheet, ComponentLink1URL=http://www.vishay.com/docs/45227/nonmagneticirrefsold.pdf, ComponentType="Ceramic Capacitor", ContentType=Component, ContentTypeGUID=CB3C11C4-E317-11DF-B822-12313F0024A2, Folder="10 Library\Component Library\Passive Components\Capacitors\Ceramic Capacitors\", FolderGUID=1B932E09-F2A4-48AF-86E9-372599342254, ItemGUID=65A320EC-B35E-4E2F-B576-051AFF40A2FD, ItemHRID=CMP-04705, LifeCycle="In Design", LifeCycleStateGUID=E3052186-9469-4B71-ADAB-0D319103D948, Mounting Type=SMT, ReleaseDate="13/06/2018 08:16:35 AM", ReleaseNote="Footprintvarianten und Bestellnummer angepasst", RevisionId=5, Supplier=Farnell, SupplierID=2672793
C601: library part CMP-1038-02233-1, "CAP 10uF 25V -20% to +80% 1210 (3225 Metric) Thickness 1.9mm SMD", Case-EIA=1210, Case-Metric=3225, Rated Voltage="25 V", Tolerance="-20% to +80%", Max Thickness="1.9 mm", Technology=SMT
D100: library part CMP-1060-01000-1, "40 W Peak Power Zener Transient Voltage Suppressor, Dual Common Cathode Zeners for ESD Protection, 3-Pin SOT-23, Tape and Reel", Manufacturer="On Semiconductor", ComponentLink1Description="Manufacturer URL", ComponentLink1URL=http://www.onsemi.com/, ComponentLink2Description=Datasheet, ComponentLink2URL=http://www.onsemi.cn/pub_link/Collateral/MMBZ15VDLT1-D.PDF, ComponentLink3Description="Package Specification", ComponentLink3URL=http://www.onsemi.cn/pub_link/Collateral/318-08.PDF, DatasheetVersion="Rev. 12", Mounting Technology="Surface Mount", PackageDescription="3-Pin Small Outline Transistor, Body 2.92 x 1.3 mm, Pitch 0.95 mm", PackageReference=SOT-23-3-318-08, PackageVersion="Rev. AP, 11/2009", Packing="Tape and Reel", PartNumber=MMBZ27VCLT1, VZ Typ (V)=27
D101 D102: library part CMP-1061-00662-1, "40 W Peak Power Zener Transient Voltage Suppressor, Dual Common Anode Zeners for ESD Protection, 3-Pin SOT-23, Tape and Reel", Manufacturer="On Semiconductor", ComponentLink1Description="Manufacturer URL", ComponentLink1URL=http://www.onsemi.com/, ComponentLink2Description=Datasheet, ComponentLink2URL=http://www.onsemi.com/pub_link/Collateral/MMBZ5V6ALT1-D.PDF, ComponentLink3Description="Package Specification", ComponentLink3URL=http://www.onsemi.cn/pub_link/Collateral/318-08.PDF, DatasheetVersion="Rev. 13", Direction=Unidirectional, IR Max (uA)=0.05, Mounting Technology="Surface Mount", PackageDescription="3-Pin Small Outline Transistor, Body 2.92 x 1.3 mm, Pitch 0.95 mm", PackageReference=SOT-23-3-318-08, PackageVersion="Rev. AP, 11/2009", Packing="Tape and Reel", PartNumber=MMBZ27VALT1, PPK Max (W)=40, V(BR) Typ (V)=27